# Altium PCB PCB_SensorBoard.PcbDoc (part 2 of 2) (continued)
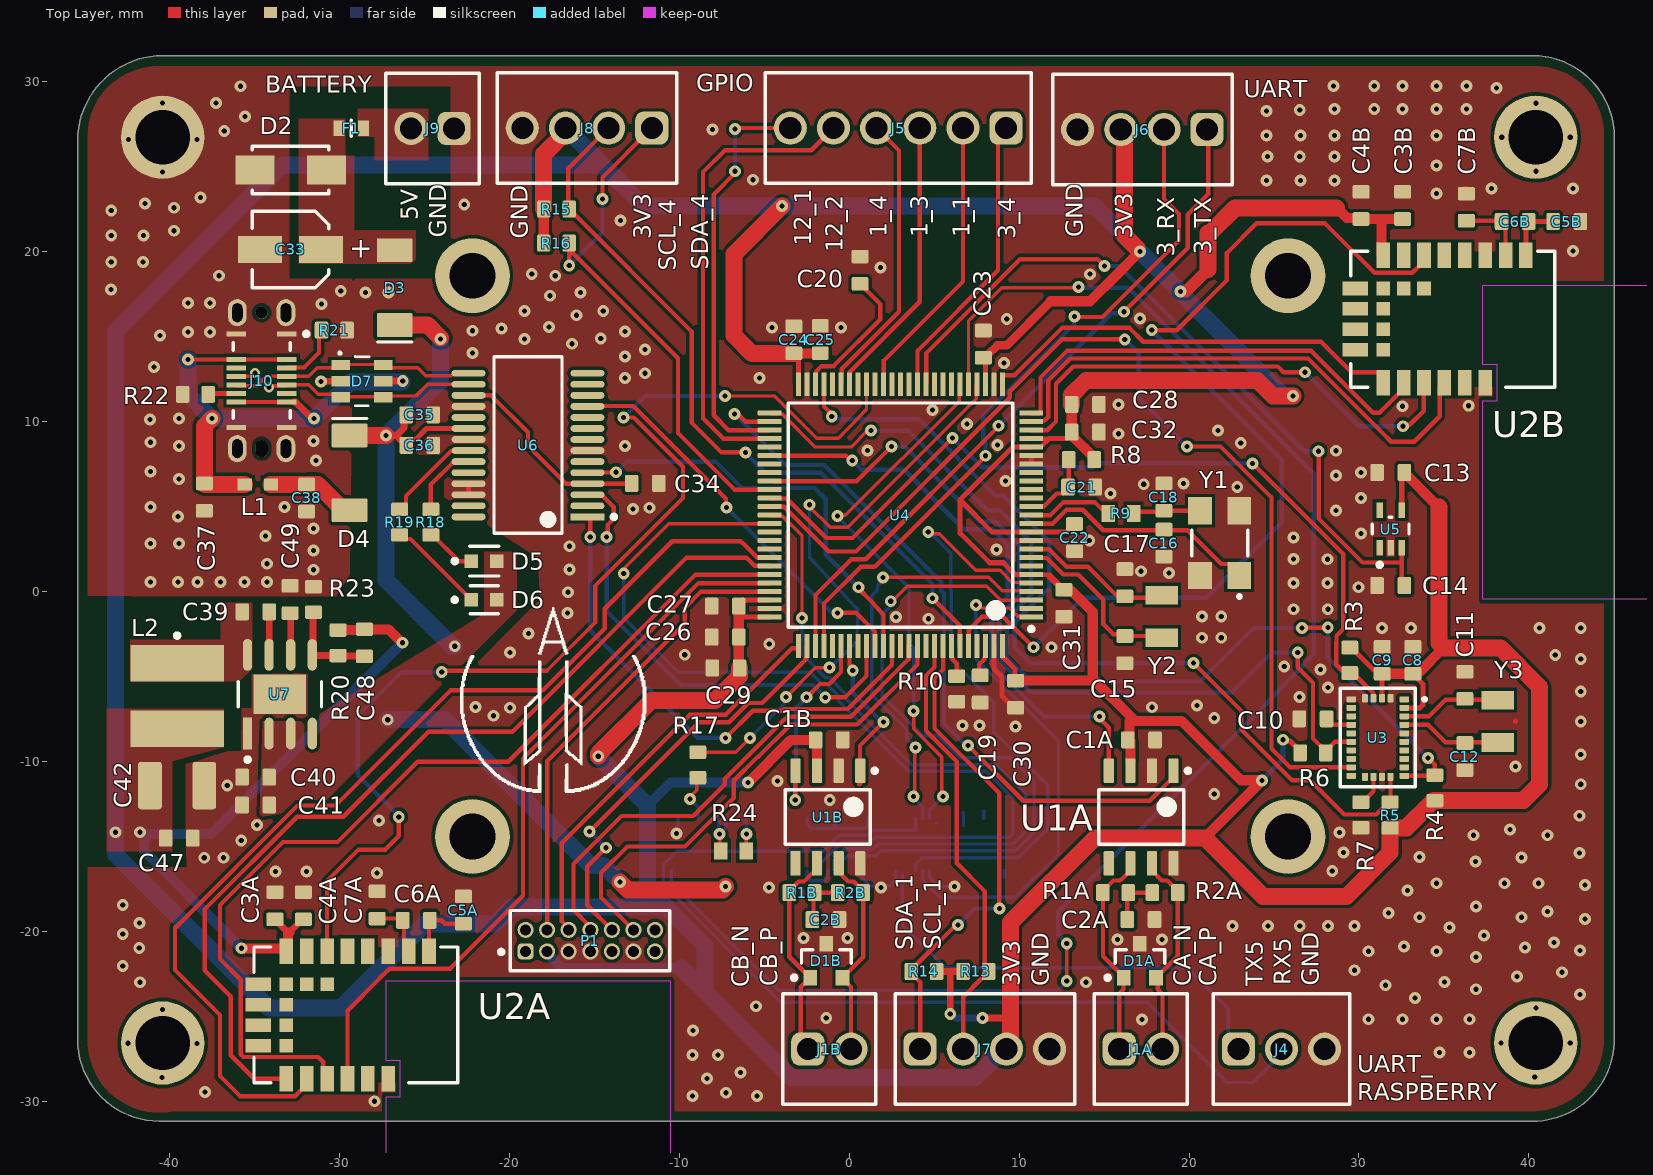
[diagram p0: Top Layer view]
## Nets (pads, with @x,y where several pads share a name; then routed paths per layer and width w, separated by ;. In a path a pad name is that pad's centre, name@x,y a point inside that pad or via, vN(x,y) a via of type N, cw(c..) or ccw(c..) an arc to the next point about the centre after c; other vN are vias at no path point) (continued)
JTDO: P1.8 U4.89 | length 29.8
  Top Layer w0.254: P1.8@-15.245,-19.714 -16.225,-18.734 -16.225,-16.037 -13.399,-13.212 -9.18,-13.212 -7.314,-11.346 -7.314,-11.021 -3.796,-7.504 -3.754,-7.504 -3.63,-7.379 0.103,-7.379 3.496,-3.987 3.496,-3.235 U4.89@3.519,-3.212
JTMS_SWDIO: P1.4 U4.72 | length 28
  Top Layer w0.254: P1.4@-17.765,-20.195 -17.765,-9.982 -9.679,-1.896 -9.679,-0.972 -8.719,-0.012 U4.72@-4.681,-0.012
LMR_BOOT: C39.1 U7.7 | length 2.5
  Top Layer w0.3: U7.7@-34.135,-3.734 U7.7@-34.13,-3.729 ; C39.1@-34.13,-1.205 C39.1@-34.125,-1.2
  Top Layer w0.4: U7.7@-34.13,-3.729 C39.1@-34.13,-1.205
LMR_FB: C48.1 R20.1 R23.2 U7.5 | length 5.6
  Top Layer w0.3: U7.5@-31.56,-3.699 U7.5@-31.595,-3.734 U7.5@-31.554,-3.775 ; R23.2@-31.56,-1.26 R23.2@-31.525,-1.225 ; R20.1@-30.075,-3.775 R20.1@-30.05,-3.8 ; C48.1@-28.55,-3.8 C48.1@-28.525,-3.825
  Top Layer w0.4: U7.5@-31.56,-3.699 R23.2@-31.56,-1.26 ; U7.5@-31.554,-3.775 R20.1@-30.075,-3.775 ; R20.1@-30.05,-3.8 C48.1@-28.55,-3.8
LMR_SW: C39.2 L2.1 U7.8
LMR_VCC: C49.2 U7.6 | length 2.5
  Top Layer w0.254: C49.2@-32.9,-1.275 C49.2@-32.865,-1.31
  Top Layer w0.4: U7.6@-32.865,-3.734 C49.2@-32.865,-1.31
MCU_32IN: C15.1 U4.8 Y2.1 | length 10.6
  Top Layer w0.254: U4.8@10.719,1.988 10.742,1.965 11.623,1.965 12.593,0.994 13.474,0.994 14.959,-0.491 14.959,-1.938 15.545,-2.524 15.92,-2.524 C15.1@16.219,-2.823 ; C15.1@16.219,-2.625 18.3,-2.625 Y2.1@18.4,-2.725
MCU_32OUT: C17.1 U4.9 Y2.2 | length 9
  Top Layer w0.254: U4.9@10.719,2.488 11.742,2.488 12.782,1.448 14.048,1.448 15.819,-0.323 16.219,-0.323 16.275,-0.379 Y2.2@18.522,-0.379
MCU_BOOT0: R10.2 U4.94 | length 1.9
  Top Layer w0.254: U4.94@6.019,-3.212 6.042,-3.235 6.042,-3.883 6.092,-3.933 6.092,-4.005 6.324,-4.237 R10.2@6.324,-4.986
MCU_CRISTALL: C18.1 R9.1 Y1.3 | length 4.3
  Top Layer w0.254: R9.1@16.738,4.593 16.831,4.687 C18.1@18.522,4.687 ; C18.1@18.522,4.754 Y1.3@21.016,4.754
MCU_NRST: C21.2 R8.1 U4.14 | length 4.3
  Top Layer w0.254: U4.14@10.719,4.988 10.742,5.011 11.462,5.011 12.213,5.762 12.602,5.762 12.875,6.035 C21.2@12.875,6.135 12.925,6.185 R8.1@12.925,7.755
MCU_VCAP1: C20.2 U4.48 | length 8.4
  Top Layer w0.254: U4.48@-1.981,12.188 -1.958,12.211 -1.958,12.931 -1.631,13.257 -0.916,13.257 1.829,16.002 1.829,16.91 1.012,17.727 1.012,17.827 C20.2@0.739,18.1
MCU_VCAP2: C19.2 U4.98 | length 1.9
  Top Layer w0.254: C19.2@7.712,-4.936 7.647,-4.872 7.647,-4.304 7.946,-4.005 7.946,-3.933 7.996,-3.883 7.996,-3.235 U4.98@8.019,-3.212
MCU_XTAL_IN: C16.1 U4.12 Y1.1 | length 14.6
  Top Layer w0.254: U4.12@10.719,3.988 11.981,3.988 12.793,4.8 13.739,4.8 14.946,3.593 18.522,3.593 19.916,3.593 21.894,1.616 22.378,1.616 23.097,0.896 Y1.1@23.097,0.646
MCU_XTAL_OUT: R9.2 U4.13 | length 5.1
  Top Layer w0.254: U4.13@10.719,4.488 11.839,4.488 12.605,5.254 14.441,5.254 R9.2@15.17,4.526
NTJRST: P1.12 U4.90 | length 29.5
  Top Layer w0.254: P1.12@-12.694,-19.917 -14.599,-18.012 -14.599,-16.56 -13.051,-15.012 -9.658,-15.012 -6.796,-12.151 -6.796,-11.146 -5.4,-9.75 -5.358,-9.75 -3.442,-7.833 0.479,-7.833 4.019,-4.293 U4.90@4.019,-3.212
RPI_92: J2.92 R17.1 | length 2.9
  Top Layer w0.2: v1(-9.373,-12.225) -9.373,-12.094 -8.979,-11.7 R17.1@-8.979,-10.884
  Bottom Layer w0.2: v1(-9.373,-12.225) -9.343,-12.225 -8.872,-12.696 J2.92@-8.872,-13.346
Run_PG: R17.2 U4.29 | length 35.8
  Top Layer w0.2: R17.2@-8.909,-9.472 -6.68,-9.472 v1(-5.827,-8.619) ; v1(-3.719,-6.218) -1.985,-4.484 -1.175,-4.484 v1(-1.158,-4.467) ; v1(-2.338,5.096) -2.338,4.988 -1.127,3.777 -0.089,3.777 7.469,11.335 7.469,12.138 U4.29@7.519,12.188
  Bottom Layer w0.2: v1(-5.827,-8.619) -3.815,-6.607 -3.815,-6.313 v1(-3.719,-6.218) ; v1(-2.338,5.096) -2.338,2 -0.152,-0.386 ccw(c0.537,0.246) -0.137,-0.402 0.519,-1.084 0.519,-1.164 0.519,-1.168 0.519,-1.171 0.461,-2.735 0.461,-2.922 -1.084,-4.467 v1(-1.158,-4.467)
RX5: J2.28 J4.2 | length 59.8
  Bottom Layer w0.2: J2.28@3.928,-13.346 3.928,-14.064 1.38,-14.064 1.098,-14.346 -0.589,-14.346 -1.525,-15.282 -10.151,-15.282 -10.925,-16.057 -10.925,-17.269 -4.019,-24.175 17.525,-24.175 22.25,-28.9 23.743,-28.9 25.44,-27.203 J4.2@25.44,-26.936
RXLED#: R19.1 U6.22 | length 5.8
  Top Layer w0.254: R19.1@-26.45,4.825 -26.353,4.825 -26.08,5.098 -26.08,5.606 -23.428,8.259 -22.428,8.259 U6.22@-22.401,8.286
RXLED#_R: D6.1 R19.2 | length 5.8
  Top Layer w0.254: R19.2@-26.45,3.325 -26.21,3.085 -25.818,3.085 D6.1@-22.233,-0.5
SAFESHUTDOWN: J2.24 U4.31 | length 31.7
  Top Layer w0.2: v1(-0.699,4.427) -0.651,4.474 -0.228,4.474 6.469,11.172 6.469,12.138 U4.31@6.519,12.188 ; v1(3.793,-7.047) 3.793,-8.08 5.458,-9.744 5.458,-11.991 v1(5.528,-12.062)
  Bottom Layer w0.2: v1(-0.699,4.427) 3.52,0.207 3.52,-3.039 3.793,-3.312 v1(3.793,-7.047) ; J2.24@4.728,-13.346 4.728,-12.862 v1(5.528,-12.062)
SCL_1: J7.2 R13.1 U4.92 | length 26
  Top Layer w0.254: U4.92@5.019,-3.212 5.019,-4.454 4.519,-4.954 4.519,-8.202 6.324,-10.007 6.324,-15.99 7.97,-17.636 7.97,-22.129 R13.1@8.207,-22.366 ; J7.2@6.713,-26.936 6.713,-23.859 7.834,-22.739 7.934,-22.739 R13.1@8.207,-22.466
SCL_4: J8.2 R15.1 U4.95 | length 43.7
  Top Layer w0.254: R15.1@-16.527,22.768 -16.527,24.893 J8.2@-14.155,27.265 ; R15.1@-16.475,22.768 R15.1@-16.475,22.5 -9.272,15.297 -9.272,9.943 -7.51,8.181 v1(-6.1,8.181) ; v1(4.897,-0.402) 6.505,-2.01 6.505,-3.203 U4.95@6.496,-3.212
  Bottom Layer w0.254: v1(-6.1,8.181) -6.1,8.151 -4.937,6.988 -1.661,6.988 4.897,0.429 v1(4.897,-0.402)
SCREW_C_5V: F1.1 J9.2
SDA_1: J7.1 R14.1 U4.93 | length 28.8
  Top Layer w0.254: J7.1@4.173,-26.936 4.173,-22.989 3.65,-22.466 3.65,-22.266 6.194,-19.722 6.322,-19.722 v1(6.407,-19.637) ; U4.93@5.519,-3.212 5.519,-4.597 5.019,-5.097 5.019,-8.06 8.837,-11.877 v1(8.837,-18.658)
  Bottom Layer w0.254: v1(6.407,-19.637) 7.386,-18.658 v1(8.837,-18.658)
SDA_4: J8.1 R16.1 U4.60 | length 31.7
  Top Layer w0.254: v1(-16.475,19.175) R16.1@-16.475,20.125 ; R16.1@-16.475,20.5 R16.1@-16.475,20.125 ; v1(-14.521,23.091) -14.521,24.359 J8.1@-11.615,27.265 ; U4.60@-4.681,5.988 -6.745,5.988 -10.072,9.315 -10.072,13.722 R16.1@-16.475,20.125
  Bottom Layer w0.254: v1(-16.475,19.175) -14.521,21.129 v1(-14.521,23.091)
SPI4-6_CE0_N: J2.49 U4.3 | length 41.3
  Top Layer w0.2: v1(2.446,-0.578) 2.537,-0.578 3.415,0.3 8.095,0.3 8.907,-0.512 U4.3@10.719,-0.512
  Bottom Layer w0.2: J2.49@-0.472,-16.426 -0.472,-15.946 -0.071,-15.546 1.595,-15.546 1.877,-15.264 9.804,-15.264 10.878,-14.189 10.878,-11.188 9.485,-9.795 6.504,-9.795 5.211,-8.502 4.317,-8.502 1.928,-6.113 1.928,-1.382 2.446,-0.864 v1(2.446,-0.578)
SPI4-6_MISO: J2.26 U4.4 | length 24.9
  Top Layer w0.2: v1(1.995,0.813) 2.019,0.837 8.2,0.837 8.999,0.038 10.669,0.038 U4.4@10.719,-0.012 ; v1(3.793,-12.062) 3.85,-12.005 3.85,-9.237 v1(3.907,-9.18)
  Bottom Layer w0.2: v1(1.995,0.813) 1.995,0.677 1.665,0.347 1.665,0.082 1.325,-0.258 1.325,-6.076 3.378,-8.129 3.378,-8.652 v1(3.907,-9.18) ; v1(3.793,-12.062) 3.793,-12.149 4.328,-12.684 J2.26@4.328,-13.346
SPI4-6_MOSI: J2.27 U4.5 | length 36.7
  Top Layer w0.2: v1(4.652,3.488) 4.748,3.392 5.291,3.392 7.446,1.237 8.878,1.237 9.575,0.539 10.119,0.52 U4.5@10.719,0.488
  Bottom Layer w0.2: J2.27@3.928,-16.426 3.928,-16.022 4.276,-15.675 9.958,-15.675 11.675,-13.958 11.675,-11.419 8.514,-8.258 8.514,-6.539 6.001,-4.026 6.001,0.055 5.974,0.083 5.974,2.251 4.737,3.488 v1(4.652,3.488)
SPI4-6_SCLK: J2.25 U4.1 | length 30.3
  Top Layer w0.2: v1(7.451,-0.806) 7.587,-0.806 7.755,-0.975 9.434,-0.975 9.921,-1.462 10.669,-1.462 U4.1@10.719,-1.512
  Bottom Layer w0.2: J2.25@4.328,-16.426 4.328,-16.995 5.341,-18.008 9.767,-18.008 12.319,-15.456 12.319,-8.819 7.451,-3.951 v1(7.451,-0.806)
TIM1_CH1_GPIO_2: J5.2 U4.40 | length 17
  Top Layer w0.254: U4.40@2.019,12.188 2.042,12.211 2.042,13.593 6.694,18.244 J5.2@6.694,27.265
TIM1_CH2: U2A.6 U4.42 | length 67.8
  Top Layer w0.2: -17.796,-4.675 -14.95,-1.829 ; v1(-7.298,11.5) -4.409,11.5 -1.915,9.006 -1.481,9.006 -0.716,9.006 -0.634,9.006 -0.571,9.069 -0.151,9.511 cw(c-0.005,9.374) -0.146,9.516 0.059,9.721 0.06,9.722 1.019,10.732 U4.42@1.019,12.188
  Top Layer w0.254: U2A.6@-30.725,-21.175 -30.725,-17.05 -28.87,-15.195 -27.306,-15.195 -26.506,-14.395 v1(-26.506,-13.264) ; v1(-23.975,-4.75) -23.9,-4.675 -17.796,-4.675 ; -14.95,-1.829 -14.95,0.319 -9.775,5.494 -9.775,7.338 -12.674,10.236 v1(-13.275,10.236)
  Bottom Layer w0.254: v1(-26.506,-13.264) -26.506,-13.207 -28.925,-10.788 -28.925,-7.332 -26.343,-4.75 v1(-23.975,-4.75) ; v1(-13.275,10.236) -12.011,11.5 v1(-7.298,11.5)
TIM1_CH3_GPIO_3: J5.3 U4.44 | length 16.8
  Top Layer w0.254: U4.44@0.019,12.188 0.042,12.211 0.042,12.931 4.154,17.042 J5.3@4.154,27.265
TIM1_CH4_GPIO_4: J5.4 U4.45 | length 17
  Top Layer w0.254: U4.45@-0.481,12.188 -0.458,12.211 -0.458,12.859 -0.435,12.882 -0.435,13.096 2.928,16.459 2.928,25.95 J5.4@1.614,27.265
TIM3_CH4_GPIO_1: J5.1 U4.36 | length 17.2
  Top Layer w0.254: U4.36@4.019,12.188 4.019,14.153 8.759,18.893 8.759,26.79 J5.1@9.234,27.265
TIM4_CH1: R6.1 U3.11 U4.59 | length 52.5
  Top Layer w0.254: U4.59@-4.383,6.488 0.443,6.488 v1(2.485,8.53) ; v1(26.396,-3.599) 26.396,-4.472 27.293,-5.37 27.293,-8.654 28.04,-9.401 28.591,-8.85 U3.11@29.545,-8.85
  Bottom Layer w0.254: v1(2.485,8.53) 3.268,8.53 7.687,4.111 8.608,4.111 10.019,2.699 10.019,-0.255 8.837,-1.437 8.837,-4.091 10.696,-5.95 22.523,-5.95 24.874,-3.599 v1(26.396,-3.599)
TIM4_CH3: R3.1 U3.4 U4.61 | length 50
  Top Layer w0.254: U4.61@-4.681,5.488 -4.658,5.465 -3.673,5.465 -1.352,3.143 0.195,3.143 6.083,9.032 v1(6.085,9.032) ; v1(23.732,7.537) 23.733,7.537 29.068,2.202 29.068,-2.217 28.68,-2.606 28.68,-3.025 28.671,-3.034 28.671,-4.313 29.348,-4.99 29.837,-4.99 30.834,-5.986 30.834,-6.265 U3.4@30.857,-6.288
  Bottom Layer w0.254: v1(6.085,9.032) 7.81,7.307 14.348,7.307 14.578,7.537 v1(23.732,7.537)
TIM4_CH4: U3.14 U4.62 | length 61.3
  Top Layer w0.254: U4.62@-4.681,4.988 -4.672,4.98 -3.83,4.98 -1.201,2.351 0.402,2.351 9.446,11.395 9.446,11.769 12.508,14.831 v1(16.216,14.831) ; v1(19.884,8.53) 21.852,8.53 24.85,5.532 24.85,-9.261 25.939,-10.35 U3.14@29.545,-10.35
  Bottom Layer w0.254: v1(16.216,14.831) 16.223,14.831 17.036,14.018 17.036,11.378 v1(19.884,8.53)
TIM12_CH1_GPIO_6: J5.6 U4.53 | length 24.3
  Top Layer w0.254: v1(-6.725,27.2) -6.705,27.18 -6.495,27.18 -6.41,27.265 J5.6@-3.466,27.265 ; v1(-6.715,24.725) -6.715,24.615 -7.975,23.355 -7.975,10.363 -7.1,9.488 U4.53@-4.681,9.488
  Bottom Layer w0.254: v1(-6.725,27.2) -6.715,27.19 v1(-6.715,24.725)
TIM12_CH2_GPIO_5: J5.5 U4.54 | length 27.7
  Top Layer w0.254: U4.54@-4.681,8.988 -7.403,8.988 -8.6,10.184 -8.6,24.676 -7.313,25.963 -2.228,25.963 J5.5@-0.926,27.265
TIM17_CH1: U2B.6 U4.96 | length 59.6
  Top Layer w0.254: U4.96@7.019,-3.212 7.042,-3.189 7.042,-2.257 7.81,-1.489 9.046,-1.489 v1(10.844,-3.287) ; v1(17.805,15.372) 19.28,15.372 22.225,18.317 22.225,19.911 23.986,21.671 27.976,21.671 29.682,19.965 29.693,19.965 30.91,18.747 33.14,18.747 33.544,19.151 33.552,19.151 33.925,19.524 U2B.6@33.925,19.966
  Bottom Layer w0.254: v1(10.844,-3.287) 13.752,-0.379 21.01,-0.379 25.45,4.061 25.45,7.727 v1(17.805,15.372)
TX5: J2.31 J4.1 | length 26.8
  Bottom Layer w0.2: J2.31@3.128,-16.714 3.128,-19.637 5.642,-22.15 19.878,-22.15 22.302,-24.574 22.302,-26.338 J4.1@22.9,-26.936
TXLED#: R18.1 U6.23 | length 4.5
  Top Layer w0.254: R18.1@-24.622,4.586 -24.622,6.293 -23.352,7.563 -23.313,7.563 -23.24,7.636 U6.23@-22.401,7.636
TXLED#_R: D5.1 R18.2 | length 3
  Top Layer w0.254: R18.2@-24.522,3.325 -22.979,1.781 D5.1@-22.143,1.781
UART_1_CTS: U2A.15 U4.70 | length 55.8
  Top Layer w0.254: U2A.15@-30.725,-28.675 -30.94,-28.46 -30.94,-27.71 -31.248,-27.402 -35.64,-27.402 -35.802,-27.24 -35.802,-22.848 -37.025,-21.625 -37.025,-18.45 -33.318,-14.743 -30.114,-14.743 -25.396,-10.025 -20.065,-10.025 -9.052,0.988 U4.70@-4.681,0.988
UART_1_RTS: U2A.16 U4.71 | length 43.9
  Top Layer w0.254: U2A.16@-29.525,-28.602 -29.525,-24.673 -27.636,-22.784 -27.636,-22.767 -27.413,-22.544 -27.396,-22.544 -27.054,-22.202 -23.483,-22.202 -19.191,-17.91 -19.191,-9.842 -8.861,0.488 U4.71@-4.681,0.488
UART_1_RX: U2A.13 U4.69 | length 55.1
  Top Layer w0.254: U2A.13@-33.125,-28.675 -35.009,-28.675 -36.392,-27.292 -36.392,-23.833 -37.929,-22.296 -37.929,-18.712 -32.481,-13.264 -29.768,-13.264 -24.769,-8.265 -19.828,-8.265 -9.575,1.988 -6.053,1.988 -5.576,1.511 -4.704,1.511 U4.69@-4.681,1.488
UART_1_TX: U2A.14 U4.68 | length 61.6
  Top Layer w0.254: U2A.14@-31.925,-28.675 -31.925,-29.025 -32.602,-29.702 -35.844,-29.702 -37.025,-28.521 -37.025,-24.925 -39.676,-22.274 -39.676,-19.759 -39.618,-19.759 -32.459,-12.6 -30.235,-12.6 -23.46,-5.825 -18.03,-5.825 -14.381,-2.176 -14.381,-1.027 -10.408,2.946 -6.392,2.946 -6.338,2.892 -6.315,2.892 -5.434,2.011 -4.704,2.011 U4.68@-4.681,1.988
UART_2_CTS: U2B.15 U4.23 | length 29.4
  Top Layer w0.254: U4.23@10.719,9.488 11.657,9.488 12.167,9.998 12.167,12.221 13.182,13.236 25.227,13.236 25.565,12.897 v1(26.823,12.897) ; v1(32.6,9.721) 32.685,9.806 32.987,9.806 33.805,10.625 33.805,12.255 U2B.15@33.825,12.274
  Bottom Layer w0.254: v1(26.823,12.897) 29.999,9.721 v1(32.6,9.721)
UART_2_RTS: U2B.16 U4.24 | length 31.6
  Top Layer w0.254: U4.24@10.719,9.988 10.742,10.011 11.391,10.011 11.441,10.061 11.512,10.061 11.713,10.262 11.713,11.497 11.713,12.409 13.005,13.7 27,13.7 31.32,9.38 31.897,8.803 33.254,8.803 34.752,10.302 34.752,12.017 U2B.16@35.025,12.29
UART_2_RX: U2B.13 U4.26 | length 25.4
  Top Layer w0.254: U4.26@9.019,12.188 9.019,12.7 9.042,12.723 9.735,12.723 12.519,15.508 16.496,15.508 17.309,14.695 27.762,14.695 29.56,12.897 31.152,12.897 31.425,12.624 U2B.13@31.425,12.475
UART_2_TX: U2B.14 U4.25 | length 27.3
  Top Layer w0.254: U4.25@10.719,10.488 11.232,10.488 11.255,10.511 11.255,12.592 12.817,14.154 27.188,14.154 30.831,10.511 31.212,10.511 32.625,11.924 U2B.14@32.625,12.497
UART_3_RX: J6.2 U4.79 | length 41
  Top Layer w0.254: U4.79@-1.481,-3.212 -1.481,-0.714 0.676,1.443 1.506,1.443 8.019,7.956 v1(8.019,7.985) ; v1(13.264,16.185) 13.307,16.143 14.906,16.143 19.404,20.64 19.404,22.213 18.523,23.094 J6.2@18.523,27.18
  Bottom Layer w0.254: v1(8.019,7.985) 8.019,8.72 7.896,8.843 7.896,10.369 13.225,15.698 13.225,16.146 v1(13.264,16.185)
UART_3_TX: J6.1 U4.78 | length 40.9
  Top Layer w0.254: U4.78@-1.981,-3.212 -1.981,-0.212 0.128,1.897 0.973,1.897 8.789,9.713 v1(8.789,9.746) ; v1(16.177,16.456) 19.926,20.205 19.926,22.184 21.127,23.385 21.127,27.115 J6.1@21.063,27.18
  Bottom Layer w0.254: v1(8.789,9.746) 8.823,9.746 15.447,16.37 16.091,16.37 v1(16.177,16.456)
USART2_CTS: U4.84 U6.3 | length 27.8
  Top Layer w0.254: U6.3@-15.401,5.686 -14.576,5.686 -13.856,4.966 -13.856,4.274 -14.2,3.93 -14.2,3.275 v1(-14.276,3.199) ; v1(-1.41,-6.238) -0.24,-6.238 1.019,-4.978 U4.84@1.019,-3.212
  Bottom Layer w0.254: v1(-14.276,3.199) -14.276,-1.153 -9.917,-5.512 -2.136,-5.512 v1(-1.41,-6.238)
USART2_RTS: U4.85 U6.11 | length 23.5
  Top Layer w0.254: U6.11@-15.401,10.886 -15.374,10.913 -12.708,10.913 -7.244,5.449 -7.244,4.964 v1(-7.223,4.943) ; v1@-0.667,-1.264 0.417,-1.264 1.513,-2.36 1.513,-3.205 U4.85@1.519,-3.212
  Bottom Layer w0.254: v1(-7.223,4.943) -1.101,-1.179 -0.771,-1.179 v1(-0.685,-1.264)
USART2_RX: U4.87 U6.1 | length 30.1
  Top Layer w0.254: U6.1@-15.401,4.386 -15.309,4.386 -15.236,4.313 v1(-15.236,3.199) ; v1(-7.272,-8.619) -5.678,-7.025 -3.917,-7.025 -3.818,-6.925 -0.085,-6.925 2.519,-4.322 U4.87@2.519,-3.212
  Bottom Layer w0.254: v1(-15.236,3.199) -15.236,-2.297 -8.914,-8.619 v1(-7.272,-8.619)
USART2_TX: U4.86 U6.5 | length 25.2
  Top Layer w0.254: U6.5@-15.401,6.986 -15.387,7 -13.739,7 v1(-13.726,7.013) ; v1(0.537,0.246) 0.537,0.181 1.312,-0.594 1.317,-0.599 1.954,-1.302 2.019,-1.374 U4.86@2.019,-3.212
  Bottom Layer w0.254: v1(-13.726,7.013) -13.698,7.013 -13.076,7.636 -7.87,7.636 -6.314,6.08 -2.037,6.08 -1.376,5.419 -1.376,2.159 -0.267,1.05 v1(0.537,0.246)
USART6_RX_TX0: J2.55 U4.64 | length 54.6
  Top Layer w0.2: v1(-13.268,1.043) -13.173,1.139 -13.173,1.426 -10.611,3.988 U4.64@-4.681,3.988
  Bottom Layer w0.2: v1(-13.268,1.043) -13.268,-1.557 -10.061,-4.764 -2.28,-4.764 -1.572,-5.472 -1.328,-5.472 -0.62,-6.179 -0.62,-6.464 3.511,-10.595 8.058,-10.595 9.638,-12.175 9.638,-14.276 9.45,-14.464 1.545,-14.464 1.263,-14.746 -0.423,-14.746 -1.672,-15.994 J2.55@-1.672,-16.426
USART6_TX_RX0: J2.51 U4.63 | length 40.9
  Top Layer w0.2: U4.63@-4.681,4.488 -4.631,4.438 -3.949,4.438 -2.775,3.264 v1(-2.775,-1.575)
  Bottom Layer w0.2: v1(-2.775,-1.575) -2.775,-3.703 -1.411,-5.067 -1.167,-5.067 -0.22,-6.014 -0.22,-6.298 3.676,-10.195 8.636,-10.195 10.4,-11.959 10.4,-14.08 9.878,-14.601 9.878,-14.623 9.638,-14.864 1.711,-14.864 1.429,-15.146 -0.237,-15.146 -0.872,-15.78 J2.51@-0.872,-16.426
USB_5V: C37.2 D7.5 J10.A4 J10.A9 J10.B4 J10.B9 L1.1 | length 34.4
  Top Layer w0.254: v1(-38.909,13.65) J10.B9@-36.06,13.65 J10.A4@-33.09,13.65 ; J10.B4@-36.06,11.15 J10.A9@-33.09,11.15 J10.A9@-32.665,11.15
  Top Layer w0.4: J10.A9@-32.665,11.15 -32.582,11.15 -31.757,10.325 -31.731,10.325 -31.581,10.175 v1(-31.5,10.175) ; D7.5@-27.289,12.389 -27.279,12.379 -26.279,12.379 v1(-26.269,12.389)
  Top Layer w1: v1(-37.506,10.175) -37.944,9.737 C37.2@-37.944,6.35 -37.894,6.3 -37.506,6.3 L1.1@-35.575,6.3
  Bottom Layer w0.4: v1@-26.326,12.331 v1(-26.269,12.389)
  Bottom Layer w1: v1(-38.909,13.65) -38.909,11.578 v1(-37.506,10.175) v1(-31.5,10.175) -29.344,12.331 v1@-26.326,12.331
USB_5V_SCH: C38.2 D4.2 L1.2 | length 5.3
  Top Layer w1: L1.2@-34.025,6.3 C38.2@-31.925,6.3 -31.275,6.3 -29.75,4.775 D4.2@-29.4,4.775
USB_N: D7.3 D7.4 J10.A7 J10.B7 U6.16 | length 14.8
  Top Layer w0.2: J10.B7@-36.06,12.65 -35.22,12.65 -35.02,12.85 v2(-34.964,12.85) ; v2(-34.15,12) -34.041,12 -33.941,12.1 -33.14,12.1 J10.A7@-33.09,12.15 -31.8,12.15 -31.253,11.603 -29.953,11.603 -29.8,11.45 -27.3,11.45 -27.252,11.498 -25.492,11.498 -24.803,12.186 U6.16@-22.401,12.186
  Bottom Layer w0.2: v2(-34.964,12.85) -34.964,12.832 -34.15,12.018 v2(-34.15,12)
USB_P: D7.1 D7.6 J10.A6 J10.B6 U6.15 | length 14.5
  Top Layer w0.2: J10.B6@-36.052,12.142 -36.01,12.1 -34.846,12.1 -34.296,12.65 J10.A6@-33.09,12.65 -31.808,12.65 -31.308,13.15 -30,13.15 -29.8,13.35 -27.3,13.35 -27.1,13.15 -25.382,13.15 -24.912,12.68 -23.411,12.68 -23.255,12.836 U6.15@-22.401,12.836
USBC_C_CC1: J10.A5 R21.1 | length 3.7
  Top Layer w0.254: J10.A5@-33.09,13.15 -33.067,13.173 -32.074,13.173 -31.197,14.05 -31.197,15.228 R21.1@-31.05,15.375
USBC_C_CC2: J10.B5 R22.1 | length 1.6
  Top Layer w0.3: R22.1@-37.694,11.65 -37.625,11.65 -37.169,11.65 J10.B5@-36.06,11.65
pads on no net: J2.3 J2.4 J2.5 J2.6 J2.9 J2.10 J2.11 J2.12 J2.15 J2.16 J2.17 J2.18 J2.19 J2.20 J2.21 J2.29 J2.30 J2.34 J2.35 J2.36 J2.37 J2.38 J2.39 J2.40 J2.41 J2.44 J2.45 J2.46 J2.47 J2.48 J2.50 J2.54 J2.56 J2.57 J2.58 J2.61 J2.62 J2.63 J2.64 J2.67 J2.68 J2.69 J2.70 J2.72 J2.73 J2.75 J2.76 J2.80 J2.82 J2.88 J2.89 J2.90 J2.91 J2.93 J2.94 J2.95 J2.96 J2.97 J2.100 J3.1 J3.2 J3.3 J3.4 J3.5 J3.6 J3.9 J3.10 J3.11 J3.12 J3.15 J3.16 J3.17 J3.18 J3.21 J3.22 J3.23 J3.24 J3.27 J3.28 J3.29 J3.30 J3.33 J3.34 J3.35 J3.36 J3.39 J3.40 J3.41 J3.42 J3.43 J3.45 J3.46 J3.47 J3.48 J3.49 J3.51 J3.52 J3.53 J3.54 J3.57 J3.58 J3.59 J3.60 J3.63 J3.64 J3.65 J3.66 J3.69 J3.70 J3.71 J3.72 J3.75 J3.76 J3.77 J3.78 J3.81 J3.82 J3.83 J3.84 J3.87 J3.88 J3.89 J3.90 J3.93 J3.94 J3.95 J3.96 J3.99 J3.100 J10. J10.A8 J10.B8 P1.1 P1.2 P1.9 P1.13 P1.14 U1A.5 U1B.5 U2A.4 U2A.5 U2A.7 U2A.9 U2A.10 U2A.11 U2A.12 U2A.17 U2A.B1 U2A.B2 U2A.B3 U2A.B4 U2A.B5 U2A.B6 U2B.4 U2B.5 U2B.7 U2B.9 U2B.10 U2B.11 U2B.12 U2B.17 U2B.B1 U2B.B2 U2B.B3 U2B.B4 U2B.B5 U2B.B6 U3.1 U3.7 U3.8 U3.10 U3.12 U3.13 U3.15 U3.16 U3.21 U3.22 U3.23 U3.24 U4.2 U4.7 U4.15 U4.16 U4.17 U4.18 U4.32 U4.33 U4.34 U4.37 U4.38 U4.39 U4.41 U4.43 U4.46 U4.55 U4.57 U4.58 U4.65 U4.66 U4.67 U4.80 U4.83 U4.88 U4.91 U4.97 U5.1 U5.5 U6.2 U6.6 U6.8 U6.9 U6.10 U6.12 U6.13 U6.14 U6.19 U6.24 U6.27 U6.28 U7.4

## Polygon pours and split planes (outlines as drawn)
GND on Top Layer "GND_L01_P013" (solid, remove dead copper, pour order 13): -40.701,30.89 40.358,30.892 cw(c40.422,26.914) 44.4,26.977 44.4,-26.389 cw(c40.165,-26.346) 40.119,-30.581 -39.773,-30.581 cw(c-40.614,-26.486) -44.794,-26.389 -44.794,-16.233 -38.977,-16.201 -39.033,-14.094 -39.033,-10.155 -38.31,-9.959 -37.747,-9.757 -36.6,-9.4 -36.05,-9.4 -35.15,-9.4 -35.775,-9.4 -35.756,-6.879 -35.15,-6.879 -35.15,-4.866 -32.354,-4.825 -31.867,-4.863 -31.867,-7.457 -23.651,-5.979 -19.567,-1.83 -18.186,-0.45 -18.318,1.976 -23.743,5.491 -23.828,5.534 -23.828,8.051 -29.302,8.051 -29.259,11.449 -29.172,18.406 -23.453,18.406 -23.453,29.725 -24.425,29.725 -30.5,29.725 -32.499,29.725 -32.936,29.725 -32.936,18.406 -29.172,18.406 -29.391,0.997 -30.194,-0.274 -42.133,-0.274 -42.191,-0.277 -44.794,-0.243 -44.794,11.649 -44.794,26.669 cw(c-40.702,26.797)
+5V on Top Layer "+5V_L01_P012" (solid, pour order 12): -21.483,-1.325 -21.483,2.331 -19.568,2.331 -19.568,-1.104 -31.222,-12.758 -34.697,-13.282 -34.508,-7.65 -31.875,-7.65
LMR_SW on Top Layer "LMR_SW_L01_P008" (solid, pour order 8): -35.134,-0.662 -35.134,-4.545 -35.89,-5.3 -42.309,-5.3 -42.309,-2.85 -37.6,-2.85 -36.994,-2.85 -36.994,-0.663
+3V3 on Top Layer "+3V3_L01_P009" (solid, remove dead copper, pour order 9): -36.794,-9.167 -39.825,-10.002 -39.825,-15.3 -43.7,-15.3 -43.7,-6.9 -36.794,-6.9
5V_FUSED on Top Layer "5V_FUSED_L01_P011" (solid, pour order 11): -28.473,21.243 -29.131,21.243 -29.131,25.631 -29.65,25.631 -29.65,26.361 -29.65,27.825 -32.4,27.825 -32.4,19.444 -32.4,19.279 -25.503,19.274 -25.503,19.875 -25.503,21.243
SCREW_C_5V on Top Layer "SCREW_C_5V_L01_P010" (solid, pour order 10): -28.93,28.405 -25.305,28.405 -24.78,28.405 -24.78,25.38 -27.925,25.38 -27.925,26.75 -28.93,26.75
GND on Bottom Layer "GND_L04_P015" (solid, remove dead copper, pour order 15): -40.677,30.892 40.083,30.892 cw(c40.083,26.563) 44.412,26.563 44.412,-26.413 cw(c40.244,-26.413) 40.244,-30.581 -40.694,-30.581 cw(c-40.694,-26.475) -44.8,-26.462 -44.8,27.125 cw(c-40.849,26.94)
+5V on Bottom Layer "+5V_L04_P014" (solid, pour order 14): -8.214,-15.953 -5.969,-15.953 -5.969,-18.099 -6.472,-18.601 -8.205,-18.601
GND on Layer 1 "GND_L02_P004" (solid, pour order 4): -41.088,30.892 40.312,30.892 cw(c40.312,26.792) 44.412,26.792 44.412,-26.385 cw(c40.173,-26.385) 40.168,-30.624 -41.272,-30.534 cw(c-41.101,-27.523) -42.935,-29.916 cw(c-40.514,-26.165) -43.929,-29.041 cw(c-41.051,-26.618) -44.813,-26.616 -44.789,27.191 cw(c-40.157,26.259)
GND on Layer 2 "GND_L03_P003" (solid, pour order 3): -40.244,30.93 40.17,30.931 cw(c40.17,26.7) 44.4,26.7 44.4,-26.425 cw(c40.244,-26.425) 40.243,-30.581 -40.583,-30.567 cw(c-40.582,-26.357) -44.792,-26.357 -44.792,27.441 cw(c-40.356,26.368)

## Silkscreen, mask and mechanical layers (free items; w line width, h text height)
Top Overlay:
  drawing of 5 lines, arcs and shapes, not listed
  text "GPIO" at -8.996,29.429 h1
  text "BATTERY" at -34.371,29.329 h1
  text "UART" at 23.229,29.089 h1
  text "5V" at -25.379,21.829 h1 r90
  text "GND" at -23.707,20.813 h1 r90
  text "1_4" at 2.218,20.828 h1 r90
  text "1_3" at 4.618,20.828 h1 r90
  text "1_1" at 7.108,20.828 h1 r90
  text "GND" at 13.738,20.828 h1 r90
  text "3V3" at 16.646,20.762 h1 r90
  text "GND" at -18.904,20.754 h1 r90
  text "3V3" at -11.686,20.728 h1 r90
  text "3_4" at 9.767,20.728 h1 r90
  text "12_1" at -2.242,20.328 h1 r90
  text "12_2" at -0.373,19.954 h1 r90
  text "3_TX" at 21.305,19.802 h1 r90
  text "3_RX" at 19.128,19.698 h1 r90
  text "SDA_4" at -8.296,18.929 h1 r90
  text "SCL_4" at -10.221,18.879 h1 r90
  text "SCL_1" at 5.394,-21.083 h1 r90
  text "SDA_1" at 3.753,-21.127 h1 r90
  text "RX5" at 25.996,-23.171 h1 r90
  text "GND" at 27.636,-23.196 h1 r90
  text "CB_P" at -4.246,-23.232 h1 r90
  text "3V3" at 10.048,-23.232 h1 r90
  text "GND" at 11.749,-23.232 h1 r90
  text "CA_N" at 20.104,-23.232 h1 r90
  text "CA_P" at 21.611,-23.232 h1 r90
  text "TX5" at 24.333,-23.232 h1 r90
  text "CB_N" at -5.911,-23.296 h1 r90
  text "UART_" at 29.904,-28.304 h1
  text "RASPBERRY" at 29.904,-29.932 h1
Bottom Overlay:
  drawing of 4 lines, arcs and shapes, not listed
Top Solder:
  circle w2.45: c-40.4,26.725 r1.225
  circle w2.2: c-22.172,18.574 r1.1
  circle w2.45: c40.4,26.725 r1.225
  circle w2.45: c40.4,-26.575 r1.225
  circle w2.45: c-40.4,-26.575 r1.225
  circle w2.2: c25.828,18.574 r1.1
  circle w2.2: c25.828,-14.426 r1.1
  circle w2.2: c-22.172,-14.426 r1.1
Bottom Solder:
  circle w2.45: c-40.4,26.725 r1.225
  circle w2.2: c-22.172,18.574 r1.1
  circle w2.45: c40.4,26.725 r1.225
  circle w2.45: c40.4,-26.575 r1.225
  circle w2.45: c-40.4,-26.575 r1.225
  circle w2.2: c25.828,18.574 r1.1
  circle w2.2: c25.828,-14.426 r1.1
  circle w2.2: c-22.172,-14.426 r1.1
Mechanical 1:
  the board outline again, w1.2

## Text inside footprints (layer, text, board x,y; h text height)
C33: Top Overlay "+" at -29.414,19.636 h1.2
U2A: Top Courtyard "no metal" at -25.325,-40.625 h0.89 r90; Top Courtyard "12.5mm" at -24.225,-34.025 h0.89 r90; Top Courtyard "12.5mm" at -18.325,-24.425 h0.89 r180; Top Courtyard "no metal" at -11.825,-23.625 h0.89 r180
U2B: Top Courtyard "no metal" at 39.225,0.324 h0.89 r90; Top Courtyard "12.5mm" at 40.325,6.924 h0.89 r90; Top Courtyard "12.5mm" at 46.225,16.524 h0.89 r180; Top Courtyard "no metal" at 52.725,17.324 h0.89 r180